# Altium PCB Barrier_PCB_V2.PcbDoc (continued)
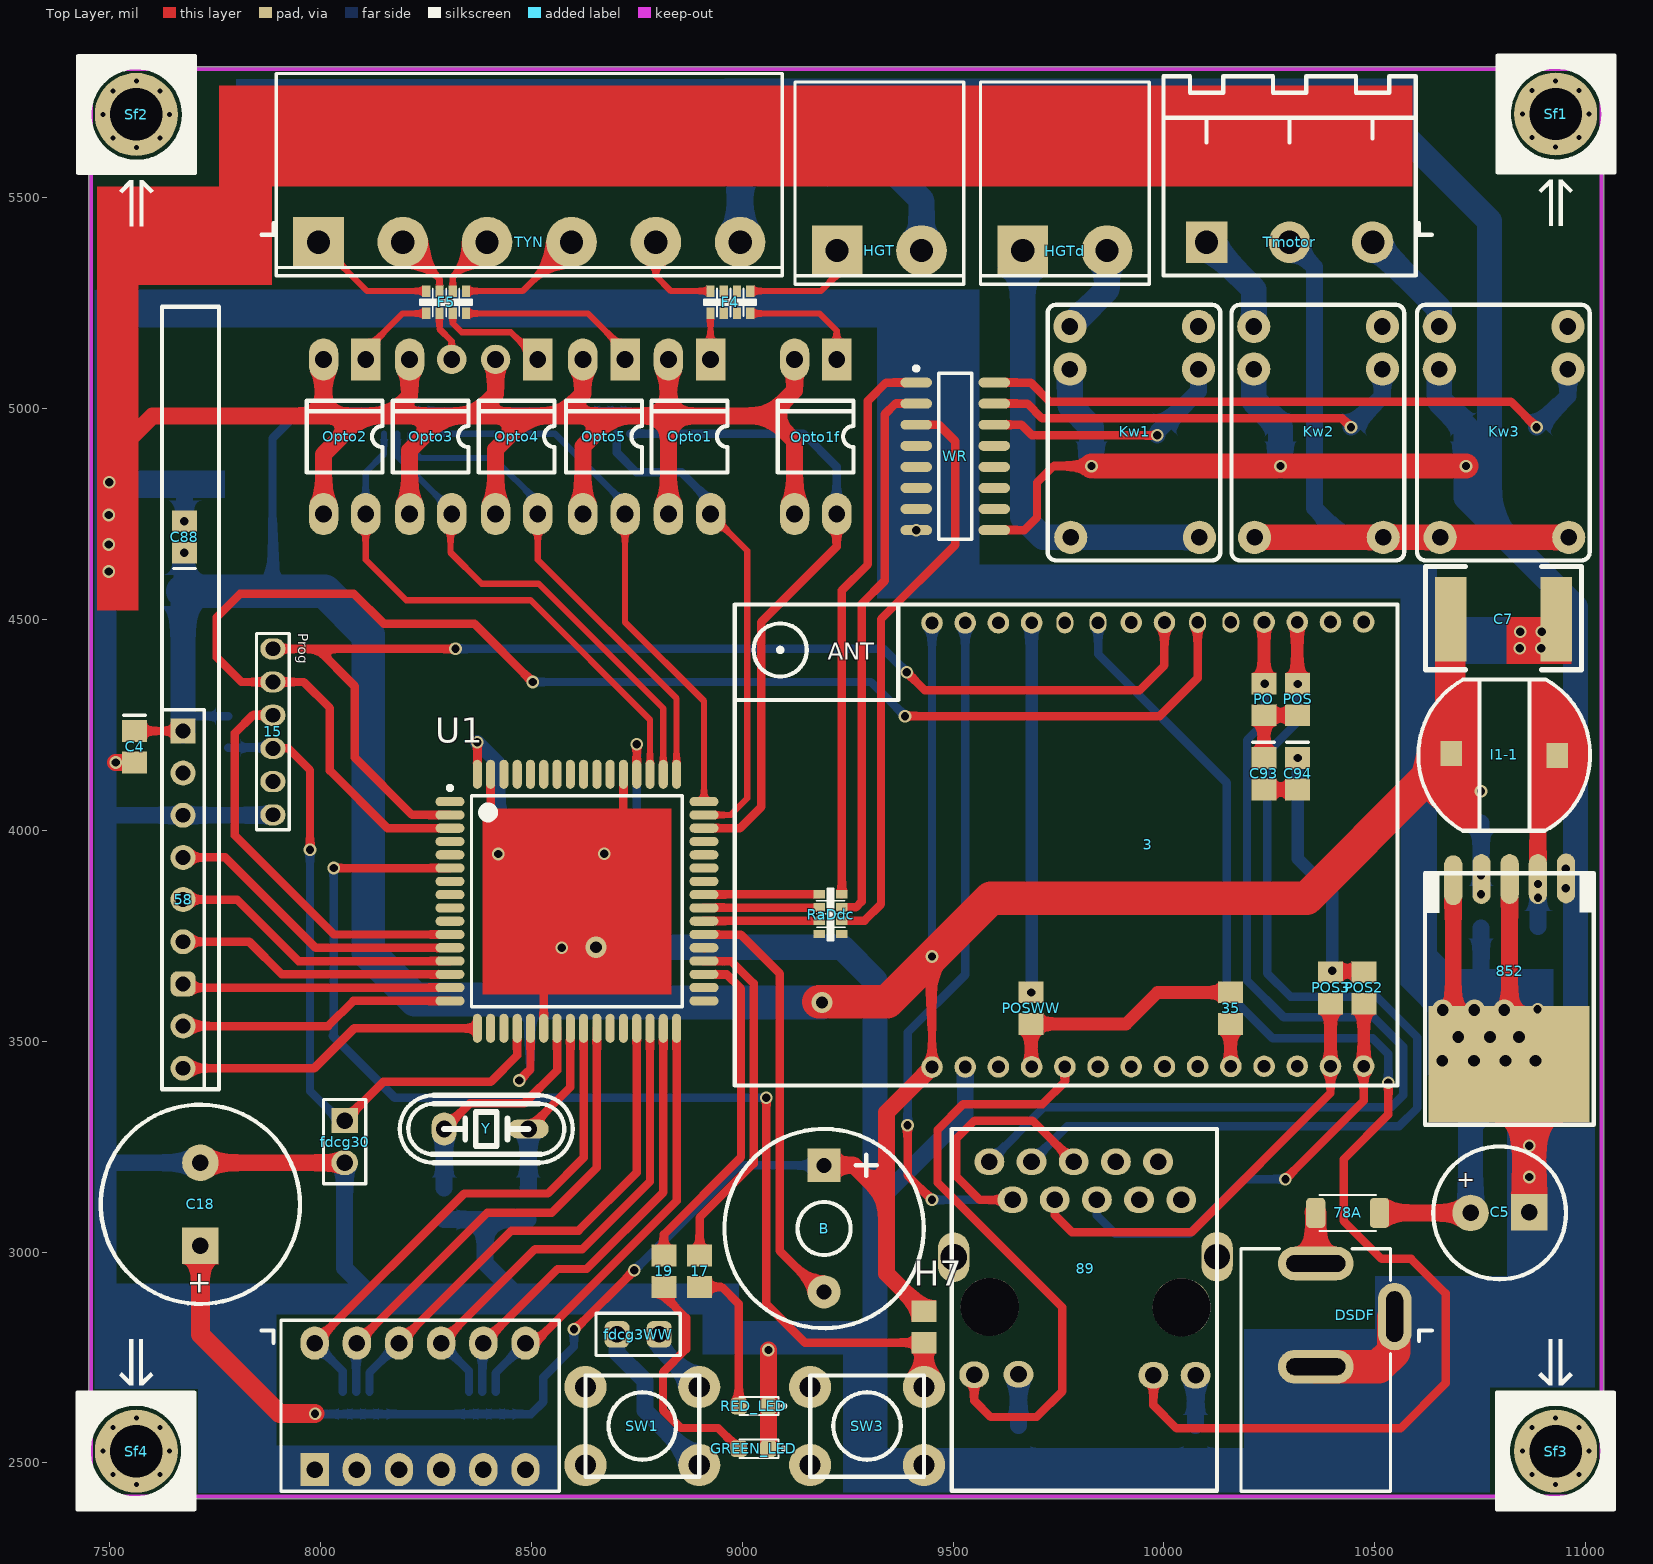
[diagram p0: Top Layer view]
## Footprints (in the part's own frame and the unit in brackets; to place one, negate y for a bottom-side part, rotate by r counter-clockwise, add the part's x,y. Pads: shape width x height; smd on the part's side, far side on the other; paste and mask are expansions set on the pad)
64A_N [mm] "Thin QFP, 64-Leads, Body 14x14mm, Pitch 0.8mm, IPC Medium Density"
  oval 1.75x0.55 smd: 1(-7.65,6) 2(-7.65,5.2) 3(-7.65,4.4) 4(-7.65,3.6) 5(-7.65,2.8) 6(-7.65,2) 7(-7.65,1.2) 8(-7.65,0.4) 9(-7.65,-0.4) 10(-7.65,-1.2) 11(-7.65,-2) 12(-7.65,-2.8) 13(-7.65,-3.6) 14(-7.65,-4.4) 15(-7.65,-5.2) 16(-7.65,-6) 33(7.65,-6) 34(7.65,-5.2) 35(7.65,-4.4) 36(7.65,-3.6) 37(7.65,-2.8) 38(7.65,-2) 39(7.65,-1.2) 40(7.65,-0.4) 41(7.65,0.4) 42(7.65,1.2) 43(7.65,2) 44(7.65,2.8) 45(7.65,3.6) 46(7.65,4.4) 47(7.65,5.2) 48(7.65,6)
  oval 0.55x1.75 smd: 17(-6,-7.65) 18(-5.2,-7.65) 19(-4.4,-7.65) 20(-3.6,-7.65) 21(-2.8,-7.65) 22(-2,-7.65) 23(-1.2,-7.65) 24(-0.4,-7.65) 25(0.4,-7.65) 26(1.2,-7.65) 27(2,-7.65) 28(2.8,-7.65) 29(3.6,-7.65) 30(4.4,-7.65) 31(5.2,-7.65) 32(6,-7.65) 49(6,7.65) 50(5.2,7.65) 51(4.4,7.65) 52(3.6,7.65) 53(2.8,7.65) 54(2,7.65) 55(1.2,7.65) 56(0.4,7.65) 57(-0.4,7.65) 58(-1.2,7.65) 59(-2,7.65) 60(-2.8,7.65) 61(-3.6,7.65) 62(-4.4,7.65) 63(-5.2,7.65) 64(-6,7.65)
  silkscreen extent -7.77,-6.35 6.35,6.95, body extent -7,-7 7,7, height 1.2
2220 [mil]
  rect 75x200 smd: 1(-4,-2) 2(246,-2)
  silkscreen extent -64,-127 306,118, body extent -18,-90 270,80, height 122
Buzzer [mm]
  rect 2x2 hole 0.9: 1(-3.81,-0.051)
  round 2 hole 0.9: 2(3.81,-0.051)
  silkscreen extent -6,-6.05 6,5.95, body extent -6.05,-6.25 5.95,5.75, height 8.6
Cap0805 [mm]
  rect 1.3x1.5 smd: 1(0,0) 2(1.9,0)
  silkscreen extent 2.84,-0.63 2.84,0.67, body extent -0.05,-0.62 1.95,0.63, height 0.78
Cap_4mm [mm]
  rect 2.2x2.2 hole 1: 1(3.502,0.05)
  round 2.2 hole 1: 2(-0.023,0)
  silkscreen extent -2.27,-4 5.73,4, body extent -2.25,-3.98 5.73,4.02, height 11.01
Cap_5mm [mm]
  round 2.2 hole 1: 1(5,0)
  rect 2.2x2.2 hole 1: 2(0,0)
  silkscreen extent -3.5,-6 8.5,6, body extent -3.75,-6.27 8.71,6.23, height 15.01
CrystallB [mil]
  oval 95.55x45 hole 39.37: 1(201,1)
  oval 59.06x78.74 hole 39.37: 2(1,1)
  silkscreen extent -104,-79 306,81, body extent -111,-91 319,93, height 138
DC_powerjack [mil]
  oval 80x180 hole 40 slot 140 at 90 deg: 1(-1.72,10) 2(243,10)
  round 59.06 hole 39.37: 1(-1.72,10)
  oval 78.74x157.48 all layers, no hole: 1(-1.72,10)
  oval 160x80 hole 40 slot 120 at 0 deg: 1(117,-177)
  silkscreen extent -297,-167 278,187, body extent -293,-178 277,196, height 421
Diod-1A-SMD [mm]
  rect 1.9x1.75 smd: A(0.059,0.025) K(4.309,0.025)
  silkscreen extent -0.42,-1.3 4.68,1.35, body extent -0.56,-1.37 4.93,1.42, height 2.24
DIPSW6 [mm]
  rect 1.7x2 hole 1: 1(0.025,0.051)
  oval 1.7x2 hole 1: 2(2.565,0.051) 3(5.105,0.051) 4(7.645,0.051) 5(10.185,0.051) 6(12.725,0.051) 7(12.725,7.671) 8(10.185,7.671) 9(7.645,7.671) 10(5.105,7.671) 11(2.565,7.671) 12(0.025,7.671)
  silkscreen extent -2,-1.25 14.76,9.05, body extent -2,-1.13 14.76,9.03, height 6.9
fuse_SMD0805 [mm]
  rrect43% 1.16x1.82 smd: 1(-0.486,0) 2(3.353,0)
  silkscreen extent -0.25,-1.09 3.15,1.09, body extent -0.15,-0.8 3.05,0.8, height 0.7
HLK [mm]
  round 1.3 hole 0.762: 1(-0.03,26.035) 2(-0.025,24.035) 3(-0.021,22.035) 4(-0.016,20.035) 5(-0.012,18.035) 6(-0.007,16.035) 7(-0.002,14.035) 8(0.002,12.035) 9(0.007,10.035) 10(0.011,8.035) 11(0.016,6.035) 12(0.021,4.035) 13(0.025,2.035) 14(0.03,0.035) 15(26.78,0.035) 16(26.775,2.035) 17(26.771,4.035) 18(26.766,6.035) 21(26.752,12.035) 22(26.748,14.035) 25(26.734,20.035) 26(26.729,22.035) 27(26.725,24.035) 28(26.72,26.035)
  oval 1.27x1.016 hole 0.762: 19(26.761,8.035) 20(26.757,10.035)
  oval 1.3x1.016 hole 0.762: 23(26.743,16.035) 24(26.738,18.035)
  silkscreen extent -1.14,-2.01 27.84,37.92, body extent -1.19,-1.98 27.81,38.02, height 2.5
Indicator0805 [mm]
  rect 1.3x1.5 smd: 1(-0.046,0.051) 2(1.854,0.051)
  body extent -0.1,-0.57 1.9,0.68, height 0.78
Indicator_SMD [mm]
  rect 1.3x1.5 smd: 1(-2.795,1.219) 2(3.607,1.118)
  Top Layer region: -1.118,-3.277 -2.007,-3.277 -2.007,-3.353 -1.118,-3.353
  Top Layer region: 1.93,5.69 2.819,5.69 2.819,5.766 1.93,5.766
  Top Layer region: -1.118,-3.277 -1.118,-3.277 -1.118,-3.277 -2.134,-3.277 -3.2,-2.21 -4.166,-1.092 -4.623,0.711 -4.521,2.108 -4.14,3.429 -3.226,4.648 -2.007,5.74 -1.092,5.74
  Top Layer region: 1.93,5.69 2.946,5.69 4.013,4.623 4.978,3.505 5.436,1.702 5.334,0.305 4.953,-1.016 4.039,-2.235 2.819,-3.327 1.905,-3.327
  Top Layer lines w0.24: 2.817,-3.209 ccw(c0.381,1.214) 5.203,2.714 ccw(c0.381,1.214) 2.779,5.658 ; -1.966,-3.245 cw(c0.432,1.199) -2.004,5.622
  silkscreen extent -4.77,-3.36 5.58,5.78, body extent -4.42,-3.75 5.24,6.03, height 5.5
Jumper#1 [mm]
  rrect50% 1.5x1.6 hole 1: 1(0.076,0.051) 2(2.616,0.051)
  silkscreen extent -1.19,-1.22 3.89,1.32, body extent -1.15,-1.24 3.85,1.3, height 9.5
Jumper#2 [mm]
  rect 1.5x1.6 hole 1: 1(0.076,0.051)
  oval 1.5x1.6 hole 1: 2(2.616,0.051)
  silkscreen extent -1.19,-1.22 3.89,1.32, body extent -1.15,-1.24 3.85,1.3, height 9.5
Led0805 [mm]
  rrect49% 1x1 smd: A(1.744,0) k(-0.042,0)
  silkscreen extent -1.08,-0.55 1.71,0.55, body extent 0.06,-0.5 1.66,0.5, height 0.8
LM2576S [mm]
  oval 1.1x3 smd: 1(-0.065,0.047) 2(1.634,0.083) 3(3.334,0.083) 4(5.033,0.083) 5(6.732,0.154)
  rect 9.7x7 smd: 3(3.369,11.234)
  silkscreen extent -1.73,-0.27 8.43,14.88, body extent -1.73,-0.23 8.43,13.78
OptoCupler#1 [mil]
  rect 100x70 hole 40: 1(-77,54)
  oval 100x70 hole 40: 2(-77,-46) 3(290,-46) 4(290,54)
  silkscreen extent 21,-86 191,94, body extent -97,-96 313,100, height 175
OptoCupler#2 [mil]
  round 70 hole 40: 1(-77,54)
  oval 100x70 hole 40: 2(-77,-46) 3(290,-46) 4(290,54)
  silkscreen extent 21,-86 191,94, body extent -97,-96 313,100, height 175
OptoCupler#3 [mil]
  rect 100x70 hole 40: 1(-77,54)
  round 70 hole 40: 2(-77,-46)
  oval 100x70 hole 40: 3(290,-46) 4(290,54)
  silkscreen extent 21,-86 191,94, body extent -97,-96 313,100, height 175
Phonix-2 [mil]
  rect 120x120 hole 55: 1(0,0)
  round 120 hole 55: 2(200,0)
  silkscreen extent -100,-80 300,400, body extent -127,-49 328,781, height 615
Phonix-3 [mm]
  rect 2.5x2.5 hole 1.4: 1(0.029,0)
  round 2.5 hole 1.4: 2(5.029,0) 3(10.029,0)
  silkscreen extent -2.57,-2 12.63,10, body extent -2.47,-2 12.53,10, height 8.6
Phonix-6 [mil]
  rect 120x120 hole 55: 1(0,0)
  round 120 hole 55: 2(200,0) 3(400,0) 4(600,0) 5(800,0) 6(1000,0)
  silkscreen extent -100,-80 1100,400, body extent -101,-77 1099,395, height 323
Programmer [mil]
  oval 50x60 hole 35: 1(-2.7,-1) 2(76.04,-1) 3(154.78,-1) 4(233.52,-1) 5(312.26,-1) 6(391,-1)
  silkscreen extent -39,-40 426,38
PushButton [mil]
  round 100 hole 50: 1(-133,158) 1a(137,158) 2(-133,-27) 2a(137,-27)
  silkscreen extent -133,-55 137,186, body extent -148,-53 154,183, height 195
R0805 [mm]
  rect 1.3x1.5 smd: 1(-0.046,0) 2(1.854,0)
  body extent -0.1,-0.62 1.9,0.63, height 0.78
RelayMiniHJR6PIN [mm]
  round 2 hole 1: 1(10.135,7.798) 2(12.7,7.798) 3(12.7,0.051) 4(10.135,0.051) 5(0,7.747) 5(0,0)
  silkscreen extent -1.39,-1.26 14.01,9.14, body extent -1.38,-1.24 14.02,9.16, height 11.6
"Res 0603 Array" [mm]
  rect 0.7x0.5 smd: 1(-0.051,-0.025) 2(-0.051,-0.825) 3(-0.051,-1.625) 4(-0.051,-2.425) 5(1.295,-2.425) 6(1.295,-1.625) 7(1.295,-0.825) 8(1.295,-0.025)
  silkscreen extent -0.23,-2.87 1.49,0.33, body extent -0.25,-2.89 1.5,0.46, height 0.6
RJ45_B [mm]
  oval 1.8x1.6 hole 1: 1(-4.166,17.297) 2(-2.769,15.011) 3(-1.626,17.297) 4(-0.229,15.011) 5(0.914,17.297) 6(2.311,15.011) 7(3.454,17.297) 8(4.851,15.011) 9(5.994,17.297) 10(7.391,15.011) 11(-5.08,4.47) 12(-2.413,4.496) 13(5.715,4.445) 14(8.255,4.445)
  oval 1.9x3 hole 1.6: 15(-6.325,11.557)
  oval 1.9x3 hole 1.56: 16(9.55,11.582)
  round 3.5 hole 3.5: ""(-4.14,8.56) ""(7.417,8.534)
  silkscreen extent -6.43,-2.51 9.55,19.28, body extent -6.48,-2.39 9.78,19.2, height 14.36
Screw [mm]
  round 0.6 hole 0.3: S(-2.025,0.102) S(-1.44,-1.313) S(-1.44,1.516) S(-0.025,-1.898) S(-0.025,2.102) S(1.389,-1.313) S(1.389,1.516) S(1.975,0.102)
  round 5 hole 3.15 mask+0.1: S(-0.025,0.102)
  silkscreen extent -3.52,-6.65 3.53,3.62
SO16 [mm]
  oval 1.9x0.6 smd: 1(0.063,8.814) 2(0.063,7.544) 3(0.063,6.274) 4(0.063,5.004) 5(0.063,3.734) 6(0.063,2.464) 7(0.063,1.194) 8(0.063,-0.076) 9(4.763,-0.076) 10(4.763,1.194) 11(4.763,2.464) 12(4.763,3.734) 13(4.763,5.004) 14(4.763,6.274) 15(4.763,7.544) 16(4.763,8.814)
  silkscreen extent -0.06,-0.63 3.41,9.79, body extent 0.46,-0.58 4.36,9.32, height 1.75
ZR17-J [mm] "RF 315/433 Learned Module"
  rect 1.5x1.5 hole 0.9: 1(20.345,0.025)
  round 1.5 hole 0.9: 2(17.805,0.025) 3(15.265,0.025) 4(12.725,0.025) 5(10.185,0.025) 6(7.645,0.025) 8(2.565,0.025) 9(0.025,0.025)
  rrect50% 1.5x1.5 hole 0.9: 7(5.105,0.025)
  silkscreen extent -1.24,-2.13 45.9,1.3, body extent -1.19,-9.44 45.9,5.21, height 18

## Part data
7: library part Indicator0805
11 17 19 34 35 43 H7 PO POS POS2 POS3 POSWW R1-1-1 R-1-1-2: library part R0805
C1 C7: library part Cap_4mm
C4 C8 C9 C10 C87 C88 C89 C93 C94: library part Cap0805, "surface mount capacitor (size 805)"
D1 D1-2 D2 D3 DG: library part "Diode 1N4001 SMD"
HGT HGTd: library part Phonix-2
Kw1 Kw2 Kw3: library part RelayMilon
Tmotor: library part Phonix-3
TYN: library part Phonix-6
U1: "8-bit AVR Microcontroller, 4.5-5.5V, 64KB Flash, 2KB EEPROM, 4KB SRAM, 64-pin TQFP, Industrial Grade (-40°C to 85°C), Pb-Free"
Y: library part "Xtal 1"
?: library part DipSwitch6pin

## Via types
v1: diameter 30, hole 19.68, Top Layer to Bottom Layer, tented both sides, 55 vias
v2: diameter 50, hole 28, Top Layer to Bottom Layer, 11 vias
v3: diameter 50, hole 28, Top Layer to Bottom Layer, tented both sides, 1 vias

## Nets (pads, with @x,y where several pads share a name; then routed paths per layer and width w, separated by ;. In a path a pad name is that pad's centre, name@x,y a point inside that pad or via, vN(x,y) a via of type N, cw(c..) or ccw(c..) an arc to the next point about the centre after c; other vN are vias at no path point)
3.3V: 3.4 35.1 POSWW.1 | length 604.4
  Top Layer w30: 3.4@9685,3440.58 POSWW.1 9910,3541 9984.8,3615.8 35.1
+5V: 3.1 3.28 7.2 11.2 58.1 B.1 C1.2 C4.2 C7.2 C18.2 C87.2 C88.2 C89.2 H7.2 I1-1.2 R-1-1-2.1 RaD.5 RaD.6 RaD.7 RaD.8 RaDd.5 RaDd.6 RaDd.7 RaDd.8 RaDds3.5 RaDds3.6 RaDds3.7 RaDds3.8 RaDds.5 RaDds.6 RaDds.7 RaDds.8 U1.21 U1.52 | length 11366.1
  Top Layer w20: C4.2 7673.8,4235.8 58.1 ; v1(8471,3407) 8497.76,3433.76 U1.21 ; v1(8601,2817) 8601,2814 v1(8744,2957) ; U1.52 8749.73,4203.73 v1(8750,4204) ; 3.1 v1(9450,3701)
  Top Layer w40: B.1 9265.16,3205.84 9342,3129 ; H7.2 9342,2949 9342,3330.82 3.1
  Top Layer w45: C18.2 7715,2805 7903,2617 v1(7987,2617)
  Top Layer w80: v3@9182,3594 9344,3594 9589,3839 10338,3839 10618.15,4119.15 I1-1.2
  Bottom Layer w20: 7677,4271 11.2 ; 7886,4567 7886,4930 7949.99,4993.99 RaDds.5 RaDds.6 RaDds.7 RaDds.8 RaDds3.5 RaDds3.6 RaDds3.7 RaDds3.8 ; v1(7987,2617) 7987.99,2616.01 RaD.8 RaD.7 RaD.6 RaD.5 RaDd.8 RaDd.7 RaDd.6 RaDd.5 8499.01,2616.01 8528,2645 8528,2703 8601,2776 v1(8601,2817) ; v1(8471,3407) 8497.2,3433.2 8497.2,3598.8 ; v1(8744,2957) 8992.84,3205.84 B.1 ; C87.2 8750,3947.2 v1(8750,4204) ; v1(9450,3701) 3.28
  Bottom Layer w40: 7.2 8516,3864 8473,3821 8707,3821 8747.8,3861.8 C87.2
  Bottom Layer w50: C1.2 v1@7676,4658
  Bottom Layer w60: 58.1 7674,4567 C1.2
  Bottom Layer w80: C1.2@7674,4567 8010,4567 8113,4464 8113,3710 8224.2,3598.8 8497.2,3598.8 ; 8473,3821 8473,3623 8497.2,3598.8 ; v3(9189,3592) 8504,3592 8497.2,3598.8
  other v1: 10752,4093 7677,4658.2
AVCC: 7.1 C8.2 U1.64 | length 381
  Top Layer w20: U1.64 v1(8371.78,4208.78)
  Bottom Layer w35: v1(8371.78,4208.78) 8421,4159.56 C8.2
  Bottom Layer w40: C8.2 7.1
BLI1: HGTd.1 Kw1.5 | length 1090.9
  Bottom Layer w60: HGTd.1@9665,5395 9665,4743 9713,4695 9779,4695 Kw1.5@10084,4695
BLI2: HGTd.2 Kw1.2 | length 236.5
  Bottom Layer w60: Kw1.2 9865,5283 HGTd.2@9865,5395
BUZZER: B.2 U1.38 | length 1020.9
  Top Layer w20: U1.38 8909.85,3752.59 8996.69,3752.59 9089,3660.28 9089,3003 9186.16,2905.84 B.2
COMMOTOR: Kw2.5 Kw3.5 Tmotor.2 | length 1804.7
  Top Layer w60: Kw2.5@10215,4695 10359,4695 ; 10358,4696 10359,4695 ; Kw3.5@10960,4695 10655,4695 10520,4695 10359,4695
  Bottom Layer w40: Kw2.5@10215,4695 10427,4695 ; Tmotor.2 10357,5335.8 10357,4765 10427,4695 ; Kw2.5@10520,4695 10427,4695
COMS: DG.K HGT.2 | length 387.7
  Bottom Layer w60: DG.K 9359,5561 9425,5495 HGT.2@9425,5395
DS1: ?.12 RaD.1 U1.25 | length 1269.8
  Top Layer w20: ?.12 8340.82,3139 8539,3139 8623.75,3223.75 U1.25
  Bottom Layer w20: ?.12 8053,2717.18 RaD.1
DS2: ?.11 RaD.2 U1.26 | length 1188
  Top Layer w20: ?.11 8394.82,3093 8548,3093 8655.24,3200.24 U1.26
  Bottom Layer w20: RaD.2 8084.5,2782.68 ?.11
DS3: ?.10 RaD.3 U1.29 | length 1217.6
  Top Layer w20: ?.10 8452.82,3051 8612,3051 8749.73,3188.73 U1.29
  Bottom Layer w20: RaD.3 8115.99,2714.17 ?.10
DS4: ?.9 RaDd.1 U1.30 | length 1160
  Top Layer w20: ?.9 8508.82,3007 8621,3007 8781.23,3167.23 U1.30
  Bottom Layer w20: ?.9 8352,2718.18 RaDd.1
DS5: ?.8 RaDd.2 U1.31 | length 1080.1
  Top Layer w20: ?.8 8561.82,2960 8631,2960 8812.72,3141.72 U1.31
  Bottom Layer w20: RaDd.2 8383.5,2781.68 ?.8
DS6: ?.7 RaDd.3 U1.32 | length 1052
  Top Layer w20: ?.7 8507.18,2784.18 8844.22,3121.22 U1.32
  Bottom Layer w20: RaDd.3 8414.99,2713.17 ?.7
DWNPUSHM: Opto4.4 RaDds.2 U1.49 | length 1171
  Top Layer w15: Opto4.4 8515,4642 8844.22,4312.78 U1.49
  Bottom Layer w15: RaDds.2 8213.5,4906.5 8237,4883 8411,4883 8515,4779 Opto4.4
GND: 3.2 15.6 34.1 43.1 58.3 852.3 852.5 ?.1 ?.2 ?.3 ?.4 ?.5 ?.6 C1.1 C4.1 C5.1 C7.1 C8.1 C9.2 C10.2 C18.1 C87.1 C88.1 C89.1 D1-2.A DSDF.1 fdcg30.2 GREEN_LED.k Opto1.2 Opto1.3 Opto1f.2 Opto1f.3 Opto2.2 Opto2.3 Opto3.2 Opto3.3 Opto4.2 Opto4.3 Opto5.2 Opto5.3 R1-1-1.1 RED_LED.k SW3.1 U1.22 U1.53 U1.63 WR.8 | length 10986.6
  Top Layer w20: 8403.28,4022.72 U1.63 ; U1.22 8529.26,3683.26 8544,3698 ; 8711,4003 8718.24,4010.24 U1.53
  Top Layer w40: v1(7499,4826) 7499,4881 7601,4983 8007,4983 ; v1(7514,4161) C4.1 ; C18.1 7715.15,3212 fdcg30.2 ; Opto2.3 8007,4892 8098,4983 ; Opto2.2 8007,4983 ; Opto3.3 8211,4901 8293,4983 ; Opto3.2 8211,5030 8164,4983 ; Opto4.3 8415,4903 8495,4983 ; Opto4.2 8415,5035 8363,4983 ; Opto5.3 8622,4911 8694,4983 ; Opto5.2 8622,5036 8569,4983 ; Opto1.3 8825,4983 ; Opto1.2 8825,4983 ; GREEN_LED.k RED_LED.k v1(9062,2768) ; Opto1f.3 9124,4923 9064,4983 ; Opto1f.2 9124,5043 9064,4983 ; 852.3@10685.96,3472 852.5 ; 852.3@10818.36,3445.72 852.3@10865.88,3398.2 ; 852.3@10819.76,3447.12 852.3@10819.76,3884.74 ; 8007,4983 8098,4983 ; 8098,4983 8164,4983 ; 8164,4983 8293,4983 ; 8293,4983 8363,4983 ; 8363,4983 8495,4983 ; 8495,4983 8569,4983 ; 8569,4983 8694,4983 ; 8694,4983 8825,4983 ; 8825,4983 9064,4983
  Top Layer w80: DSDF.1@10360,2728.28 10509.28,2728.28 10545,2764 DSDF.1@10545,2845 ; C5.1 852.3@10865.88,3398.2
  Bottom Layer w40: 7490.25,4036 15.6@7887,4036 ; 7492,3207 7496.85,3211.85 C18.1 ; C1.1 7677,4818 v1(7677,4733) ; fdcg30.2 8057,2962 8122,2897 ; C9.2 8390,3077.2 ; 8466,2898 8390,2974 8390,3077.2 ; C10.2 8390,3077.2 ; 9276,2736 9315,2775 ; 9327.5,3126.5 9528.74,3327.74 3.2 ; 43.1 34.1 10370.2,2514.2 ; R1-1-1.1 10752,3621 10753,3620
  Bottom Layer w60: v2(8653,3723) 9236,3723 9315,3644 9315,2775
  other v1: 10866,3178 10866,3252 10886,3576 8572,3722 8421,3944 8673,3945 10844,4432 10895,4432 10845,4471 10896,4471 7498,4614 7498,4678 9412.48,4712 7498,4748
  other v2: 10660,3454 10735,3454 10810,3454 10881,3454 10698,3510 10773,3510 10842,3510 10661,3574 10736,3574 10807,3574
J1V: 89.8
J2V: 89.7
JIN: 78A.1 DSDF.2 | length 121.5
  Top Layer w50: 78A.1@10358.86,3094 78A.1 10360,3092.86 DSDF.2
LED_GW: 3.23 89.13 | length 3244.1
  Top Layer w20: 89.13 9975,2637 10030,2582 10561,2582 10668,2689 10668,2902 10586,2984 10516,2984 10426,3074 10426,3220 10532,3326 v1(10532,3402)
  Bottom Layer w20: 3.23 9843.7,4418.3 10149,4113 10149,3616 10258,3507 10495,3507 10532,3470 v1(10532,3402)
LED_S1: 17.2 U1.36 | length 838.2
  Top Layer w20: 17.2 8899,3082 9027,3210 9027,3637.43 8974.83,3689.6 8909.85,3689.6 U1.36
LED_S2: 19.2 U1.35 | length 810.6
  Top Layer w20: 19.2 8814,3042 8997,3225 8997,3625 8963.23,3658.77 U1.35
LED_YW: 3.5 89.11 | length 1438.8
  Top Layer w20: 89.11 9550,2648 9589,2609 9698,2609 9759,2670 9759,2869 9463,3165 9463,3290 9524,3351 9712,3351 9764.96,3403.96 3.5
MOTORDOWN: Kw2.2 Tmotor.1 | length 246.1
  Bottom Layer w60: Tmotor.1 10213,5282.95 Kw2.2
MOTORUP: Kw3.2 Tmotor.3 | length 265.3
  Bottom Layer w60: Tmotor.3 10653,5236.65 Kw3.2
MSTR: U1.56
MSTU: U1.55
Net3_25: 3.25 POSWW.2 | length 877.2
  Bottom Layer w30: v1(9685,3615.8) 9686.22,3617.02 3.25
Net17_1: 17.1 RED_LED.A | length 351.5
  Top Layer w20: 17.1 8951.8,2917.2 8991.71,2877.29 RED_LED.A
Net19_1: 19.1 GREEN_LED.A | length 554.3
  Top Layer w20: 19.1 8814,2897 8867,2844 8867,2770 8812,2715 8812,2625 8854,2583 8942.71,2583 GREEN_LED.A
Net34_2: 34.2 89.14 | length 119.1
  Bottom Layer w40: 34.2 89.14
Net43_2: 43.2 89.12 | length 121.1
  Bottom Layer w40: 43.2 89.12
Net852_2: 852.2 D1-2.K I1-1.1 | length 302.3
  Top Layer w40: 852.2 10886.65,4085.65
  Bottom Layer w40: D1-2.K v1(10887,3873)
  other v1: 10887,3840
Net852_4: 852.4 R1-1-1.2 R-1-1-2.2 | length 169.2
  Bottom Layer w40: v1(10752,3849) R-1-1-2.2
  other v1: 10752,3893
NetC93_1: C93.1 C94.1 | length 80
  Top Layer w30: C93.1 C94.1
NetC93_2: C93.2 PO.1 POS.1 | length 181.4
  Top Layer w30: C93.2 PO.1 POS.1
NetC94_2: C94.2 POS2.1 POS3.1 | length 613.8
  Top Layer w30: v1(10399,3667) POS2.1@10474,3667
  Bottom Layer w30: v1(10317,4171.8) 10317,3933 10399,3851 v1(10399,3667)
NetRaDdc_6: RaDdc.6 WR.3 | length 1388.7
  Top Layer w20: RaDdc.6 9290.01,3786.01 9329,3825 9329,4501 9505,4677 9505,4923 9466,4962 WR.3
NetRaDdc_7: RaDdc.7 WR.2 | length 1316.2
  Top Layer w20: RaDdc.7 9269.5,3817.5 9283,3831 9283,4537 9338,4592 9338,4987 9363,5012 WR.2
NetRaDdc_8: RaDdc.8 WR.1 | length 1328
  Top Layer w20: RaDdc.8 9235.99,4568.99 9298,4631 9298,5019 9341,5062 WR.1
NOS: F4.1 HGT.1 | length 299.2
  Top Layer w15: F4.1 9186,5279 9225,5318 HGT.1@9225,5395
PHS: U1.54
RD+: 3.13 89.4 POS3.2 | length 1055.6
  Top Layer w20: 89.4 9741,3088 9782,3047 10065,3047 10394.88,3376.88 3.13
  Top Layer w30: 3.13@10395,3441.11 POS3.2
RD-: 3.14 89.6 POS2.2 | length 1035.7
  Top Layer w20: v1(10288,3173) 10473.62,3358.62 3.14
  Top Layer w30: 3.14 10474,3441.55 POS2.2@10474,3575.5
  Bottom Layer w20: 89.6 9841,3087 9885,3043 10060,3043 10190,3173 v1(10288,3173)
RF_D1: 58.4 U1.12 | length 721.6
  Top Layer w20: 58.4 7774,3936 7988.24,3721.76 U1.12
RF_D2: 58.5 U1.13 | length 693.2
  Top Layer w20: 58.5 7802,3836 7947.73,3690.27 U1.13
RF_D3: 58.6 U1.14 | length 664.8
  Top Layer w20: 58.6 7831,3736 7908.23,3658.77 U1.14
RF_D4: 58.7 U1.15 | length 636.4
  Top Layer w20: 58.7 7682.72,3627.28 U1.15
RF_D5: 58.8 U1.16 | length 657.6
  Top Layer w20: 58.8 8018,3536 8077.78,3595.78 U1.16
RF_D6: 58.9 U1.17 | length 737.1
  Top Layer w20: 58.9 7985,3436 8079.82,3530.82 U1.17
RF_VT: 58.2
RFS1: fdcg3WW.2 SW1.1 | length 390.8
  Bottom Layer w40: fdcg3WW.2 8703,2761 8769,2695 8769,2624 SW1.1
RFS2: fdcg3WW.1 SW1.2 | length 164.4
  Bottom Layer w40: fdcg3WW.1 8803,2775 SW1.2
RST: 11.1 15.4 fdcg30.1 U1.20 | length 1623.3
  Top Layer w20: 15.4 7923.52,4194.48 7975,4143 v1(7975,3954) ; fdcg30.1 8149,3404 8404,3404 8466.27,3466.27 U1.20
  Bottom Layer w20: 11.1 15.4@7885.28,4196.2 ; v1(7975,3954) 7975,3382 8045,3312 fdcg30.1
RXD1: U1.27
S1: F4.5 Opto1.1 | length 109.2
  Top Layer w15: F4.5 8924.51,5117.49 Opto1.1
S2: F5.5 Opto2.1 | length 180
  Top Layer w15: Opto2.1@8107,5138 8195.01,5226.01 F5.5
S3: F5.6 Opto3.1 | length 100
  Top Layer w15: F5.6 8282.01,5188.99 8311,5160 Opto3.1@8311,5138
S4: F5.7 Opto4.1 | length 260.4
  Top Layer w15: F5.7 8313.5,5202.5 8335,5181 8451,5181 Opto4.1
S5: F5.8 Opto5.1 | length 413.5
  Top Layer w15: F5.8 8633.99,5226.01 Opto5.1@8722,5138
S8: F4.8 Opto1f.1 | length 290
  Top Layer w15: F4.8 9182.99,5226.01 9224,5185 Opto1f.1
S9S: U1.59
SCK: 15.3 U1.11 | length 957.5
  Top Layer w20: 15.3 7839.22,4273.22 7797,4231 7797,3988 8031.74,3753.26 U1.11
SW1: H7.1 SW3.2 U1.6 | length 2769.5
  Top Layer w20: v1(8031,3910.74) U1.6 ; v1(9057,3366) 9057,2877 9148.8,2785.2 H7.1
  Top Layer w40: SW3.2 H7.1
  Bottom Layer w20: v1(8031,3910.74) 8031,3515 8029,3513 8176,3366 v1(9057,3366)
SWDWN: F5.3 TYN.2 | length 152
  Top Layer w15: TYN.2 8282.01,5307.99 F5.3
SWDWNM: Opto2.4 RaDds.4 U1.51 | length 1277.9
  Top Layer w15: Opto2.4 8107,4642 8203,4546 8498,4546 8781.23,4262.77 U1.51
  Bottom Layer w15: Opto2.4 8107,4849 8150.51,4892.51 RaDds.4
SWDWNPUSH: F5.1 TYN.4 | length 298
  Top Layer w15: F5.1 8479,5279 TYN.4
SWIUPPUSH: F4.4 TYN.5 | length 224.4
  Top Layer w15: TYN.5 8795,5315 8831,5279 F4.4
SWSTP: F5.2 TYN.3 | length 149.8
  Top Layer w15: F5.2 8313.5,5313.5 TYN.3
SWSTPM: Opto3.4 RaDds.3 U1.50 | length 1150.6
  Top Layer w15: Opto3.4 8308,4747 8308,4659 8382,4585 8517,4585 8812.72,4289.28 U1.50
  Bottom Layer w15: RaDds.3 8182.01,4886.99 8311,4758 Opto3.4
SWUP: F5.4 TYN.1 | length 303.6
  Top Layer w15: TYN.1 8111,5279 F5.4
SWUPM: Opto1.4 RaDds3.2 U1.47 | length 1201
  Top Layer w15: U1.47 8972.72,4036.72 9012,4076 9012,4663 Opto1.4
  Bottom Layer w15: Opto1.4 Opto1.4@8925,4776
  Bottom Layer w20: RaDds3.2 8702.5,4895.5 8749,4849 8856,4849 8925,4780 Opto1.4
SYTC: Opto1f.4 RaDds3.1 U1.46 | length 1559.7
  Top Layer w20: U1.46 8994.23,4005.23 9045,4056 9045,4494 9224,4673 Opto1f.4
  Bottom Layer w20: RaDds3.1 9145,4941 9224,4862 Opto1f.4
TD+: 3.18 89.1 PO.2 | length 2463.8
  Top Layer w30: PO.2 10237.4,4348.4 3.18
  Bottom Layer w20: 89.1 9715.94,3344 10539,3344 10567,3372 10567,3487 10497,3557 10284,3557 10197,3644 10197,4214 10239,4256 v1(10239,4348)
TD-: 3.17 89.3 POS.2 | length 2416.1
  Top Layer w30: 3.17 10316.14,4348.86 POS.2
  Bottom Layer w20: 89.3 9770.94,3299 10558,3299 10601,3342 10601,3509 10504,3606 10300,3606 10245,3661 10245,4185 10317,4257 v1(10317,4347)
TXD1: U1.28
ULI1: RaDdc.1 U1.41 | length 272.8
  Top Layer w20: U1.41 8909.18,3848.35 RaDdc.1@9181.35,3848.35
ULI2: RaDdc.2 U1.40 | length 272.9
  Top Layer w20: U1.40 8909.18,3816.85 RaDdc.2@9181.5,3816.85
ULI3: RaDdc.3 U1.39 | length 272.9
  Top Layer w20: U1.39 8909.18,3785.35 RaDdc.3@9181.5,3785.35
ULO1: D1.A Kw1.4 WR.14 | length 594.4
  Top Layer w20: WR.14 9662,4962 9687,4937 v1(9984,4937)
  Bottom Layer w40: v1(9984,4937) 9984,4944.34 10082,5042.34 Kw1.4
ULO2: D2.A Kw3.4 WR.16 | length 1498.8
  Top Layer w20: WR.16 9684,5062 9729,5017 10822.66,5017 v1(10883.66,4956)
  Bottom Layer w40: v1(10883.66,4956) 10958,5030.34 Kw3.4
ULO3: D3.A Kw2.4 WR.15 | length 1038.1
  Top Layer w20: WR.15 9676,5012 9711,4977 10422.66,4977 v1(10443.66,4956)
  Bottom Layer w40: v1(10443.66,4956) 10518,5030.34 Kw2.4
UPPUSHM: Opto5.4 RaDds.1 U1.48 | length 1330.1
  Top Layer w15: Opto5.4 8722,4494 8909.18,4306.82 U1.48
  Bottom Layer w15: RaDds.1 8556,4941 8722,4775 Opto5.4
VCC+12V: 78A.2 852.1 C5.2 D1.K D2.K D3.K DG.A Kw1.1 Kw2.1 Kw3.1 TYN.6 WR.9 | length 6653.9
  Top Layer w20: WR.9 9669,4712 9699,4742 9699,4825 9738,4864 v1(9828.34,4864) v1@9828.34,4862.34
  Top Layer w40: 78A.2 C5.2
  Top Layer w60: v1(9828.34,4864) v1(10276.34,4864) v1(10716.34,4864)
  Bottom Layer w60: TYN.6 8995,5701 ; 9545.08,5696 10521,5696 10772,5445 10772,4734 ; Kw1.1 9777,5007.34 D1.K v1(9828.34,4864) ; Kw2.1 10213,5019.34 D3.K v1(10276.34,4864) ; Kw3.1 10653,5019.34 D2.K v1(10716.34,4864) 10716.34,4789.66 10772,4734 ; C5.2 10727.1,3304.1 10784,3361 10976,3361 10976,4530 10772,4734
  other v1: 10953,3863 10953,3909
VCC-1.8V: 3.27 89.2 89.5 | length 2221.8
  Top Layer w20: v1(9392,3301) 9392,3182.13 v1(9450.06,3124.06) ; 89.2 9562.94,3124.06 9508,3179 9508,3269 9551,3312 9688.06,3312 89.5
  Bottom Layer w20: v1(9392,3301) 9392,3521 9528.74,3657.74 3.27 ; v1(9450.06,3124.06) 89.2
VRT: U1.60
VST: U1.58
W_RST: 3.10 35.2 | length 100.8
  Top Layer w30: 35.2 10158,3441.11 3.10
W_RX: 3.20 15.2 U1.3 | length 3541.7
  Top Layer w20: U1.3 8158.77,4005.23 8022,4142 8022,4290 7960.04,4351.96 15.2 7812.04,4351.96 7754,4410 7754,4506 7809,4561 8079,4561 8150,4490 8365,4490 v1(8503,4352) ; v1(9386,4271) 9990,4271 10079.92,4360.92 3.20
  Bottom Layer w20: v1(8503,4352) 9305,4352 v1(9386,4271)
W_TX: 3.21 15.1 U1.2 | length 2858.3
  Top Layer w20: 15.1 7992.3,4430.7 ; U1.2 8217.28,4036.72 8081,4173 8081,4342 7992.3,4430.7 ; v1(8320,4430.7) 7992.3,4430.7 ; v1(9390,4375) 9433,4332 9942,4332 10001.18,4391.18 3.21
  Bottom Layer w20: v1(8320,4430.7) 9334.3,4430.7 v1(9390,4375)
WLANLED: 3.3
XTAL1: C10.1 U1.24 Y.1 | length 420.3
  Top Layer w20: Y.1 8592.25,3391.25 U1.24
  Bottom Layer w40: C10.1 8493,3153 Y.1
XTAL2: C9.1 U1.23 Y.2 | length 565.3
  Top Layer w20: Y.2 8354,3353 8483,3353 8560.76,3430.76 U1.23
  Bottom Layer w40: C9.1 Y.2
pads on no net: 3.6 3.7 3.8 3.9 3.11 3.12 3.15 3.16 3.19 3.22 3.24 3.26 15.5 89. 89.9 89.10 89.15 89.16 F4.2 F4.3 F4.6 F4.7 Kw1.3 Kw2.3 Kw3.3 RaD.4 RaDd.4 RaDdc.4 RaDdc.5 RaDds3.3 RaDds3.4 Sf1.S Sf2.S Sf3.S Sf4.S SW1.1a SW1.2a SW3.1a SW3.2a U1.1 U1.4 U1.5 U1.7 U1.8 U1.9 U1.10 U1.18 U1.19 U1.33 U1.34 U1.37 U1.42 U1.43 U1.44 U1.45 U1.57 U1.61 U1.62 WR.4 WR.5 WR.6 WR.7 WR.10 WR.11 WR.12 WR.13
copper on no net: | length 0.9
  Top Layer w20: 8909.18,3721.76 8909.85,3721.09

## Keep-outs
Keep-Out Layer:
  lines w10: 11037.93,2420.25 7455.25,2420.25 7455.25,5806.08 11037.93,5806.08 ; 11037.93,2420.25 11037.93,5806.08 ; 11037.93,2420.25 11037.93,5806.08

## Other copper
Top Layer:
  rectangle net GND: 7759,5370 7879,5766
  rectangle net GND: 7470,5294 7885,5527
  rectangle net GND: 7470,4521 7568,5527
  rectangle net GND: 7759,5527 10589,5766
  rectangle net GND: 10812,4395 10967,4506
  rectangle net +5V: 10643,4157 10715,4583
  rectangle net GND: 8384,3611 8832,4052
Bottom Layer:
  rectangle net VCC+12V: 7800,5549 9011,5782
  rectangle net GND: 10595,4395 10907,4506
  rectangle net +5V: 8434,3799 8768,3884
  rectangle net VCC+12V: 8958,5648 10594,5783
  rectangle net GND: 10561,3634 10647,4631
  rectangle net GND: 9320,4550 10647,4631
  rectangle net GND: 9320,4550 9562,5263
  rectangle net GND: 7469,5193 9562,5283
  rectangle net GND: 7464,4851 7537,5282
  rectangle net GND: 7491,2852 8992,2926
  rectangle net GND: 8906,2762 8992,2925
  rectangle net GND: 8906,2757 9345,2837
  rectangle net GND: 7464,4788 7773,4854
  rectangle net GND: 7709,2429 8561,2541
  rectangle net GND: 9239,2430 9345,2812
  rectangle net GND: 7464,2861 7516,4854
  rectangle net GND: 7464,2676 7895,2901
  rectangle net GND: 7709,2429 7895,2861
  rectangle net GND: 9259,2430 10279,2536
  rectangle net GND: 10190,2430 10773,2818
  rectangle net GND: 10625,3419 10924,3671
  rectangle net GND: 10190,2679 10501,2818
  rectangle net GND: 10501,2679 11022,2943
  rectangle net GND: 10814,2679 11022,3295
  region net GND: 10615,3763 10615,3746 10728,3633 10711,3616 10623,3616
  region net GND: 10561,3634 10658,3537 10658,3642 10646,3654

## Silkscreen, mask and mechanical layers (free items; w line width, h text height)
Top Overlay:
  lines w10: 7860,2813.95 7888.32,2813.95 7888.32,2785 ; 7860,5412.38 7888.32,5412.38 7888.32,5440 ; 10604.86,2790 10604.86,2813.95 10635,2813.95 ; 10604.86,5440 10604.86,5412.38 10635,5412.38

## Text inside footprints (layer, text, board x,y; h text height)
3: Top Overlay "ANT" at 9203,4405 h40
15: Top Overlay "Prog" at 7939,4467 h39.37 r270
C5: Top Overlay "+" at 10738,3187 h39.37 r180
C18: Top Overlay "+" at 7734.69,2896.89 h51.18 r90